# Altium PCB BGA_faser.PcbDoc (part 3 of 3)
Units mm, origin at the board's own origin, x right, y up, seen from the top; angles counter-clockwise.
Board outline 67 x 88.8 mm, 6 copper layers (Top Layer, GND1, Layer 3, PWR, GND2, Bottom Layer), stack 0.816 mm thick; 284 components, 326 nets, 1608 pads, 767 vias.
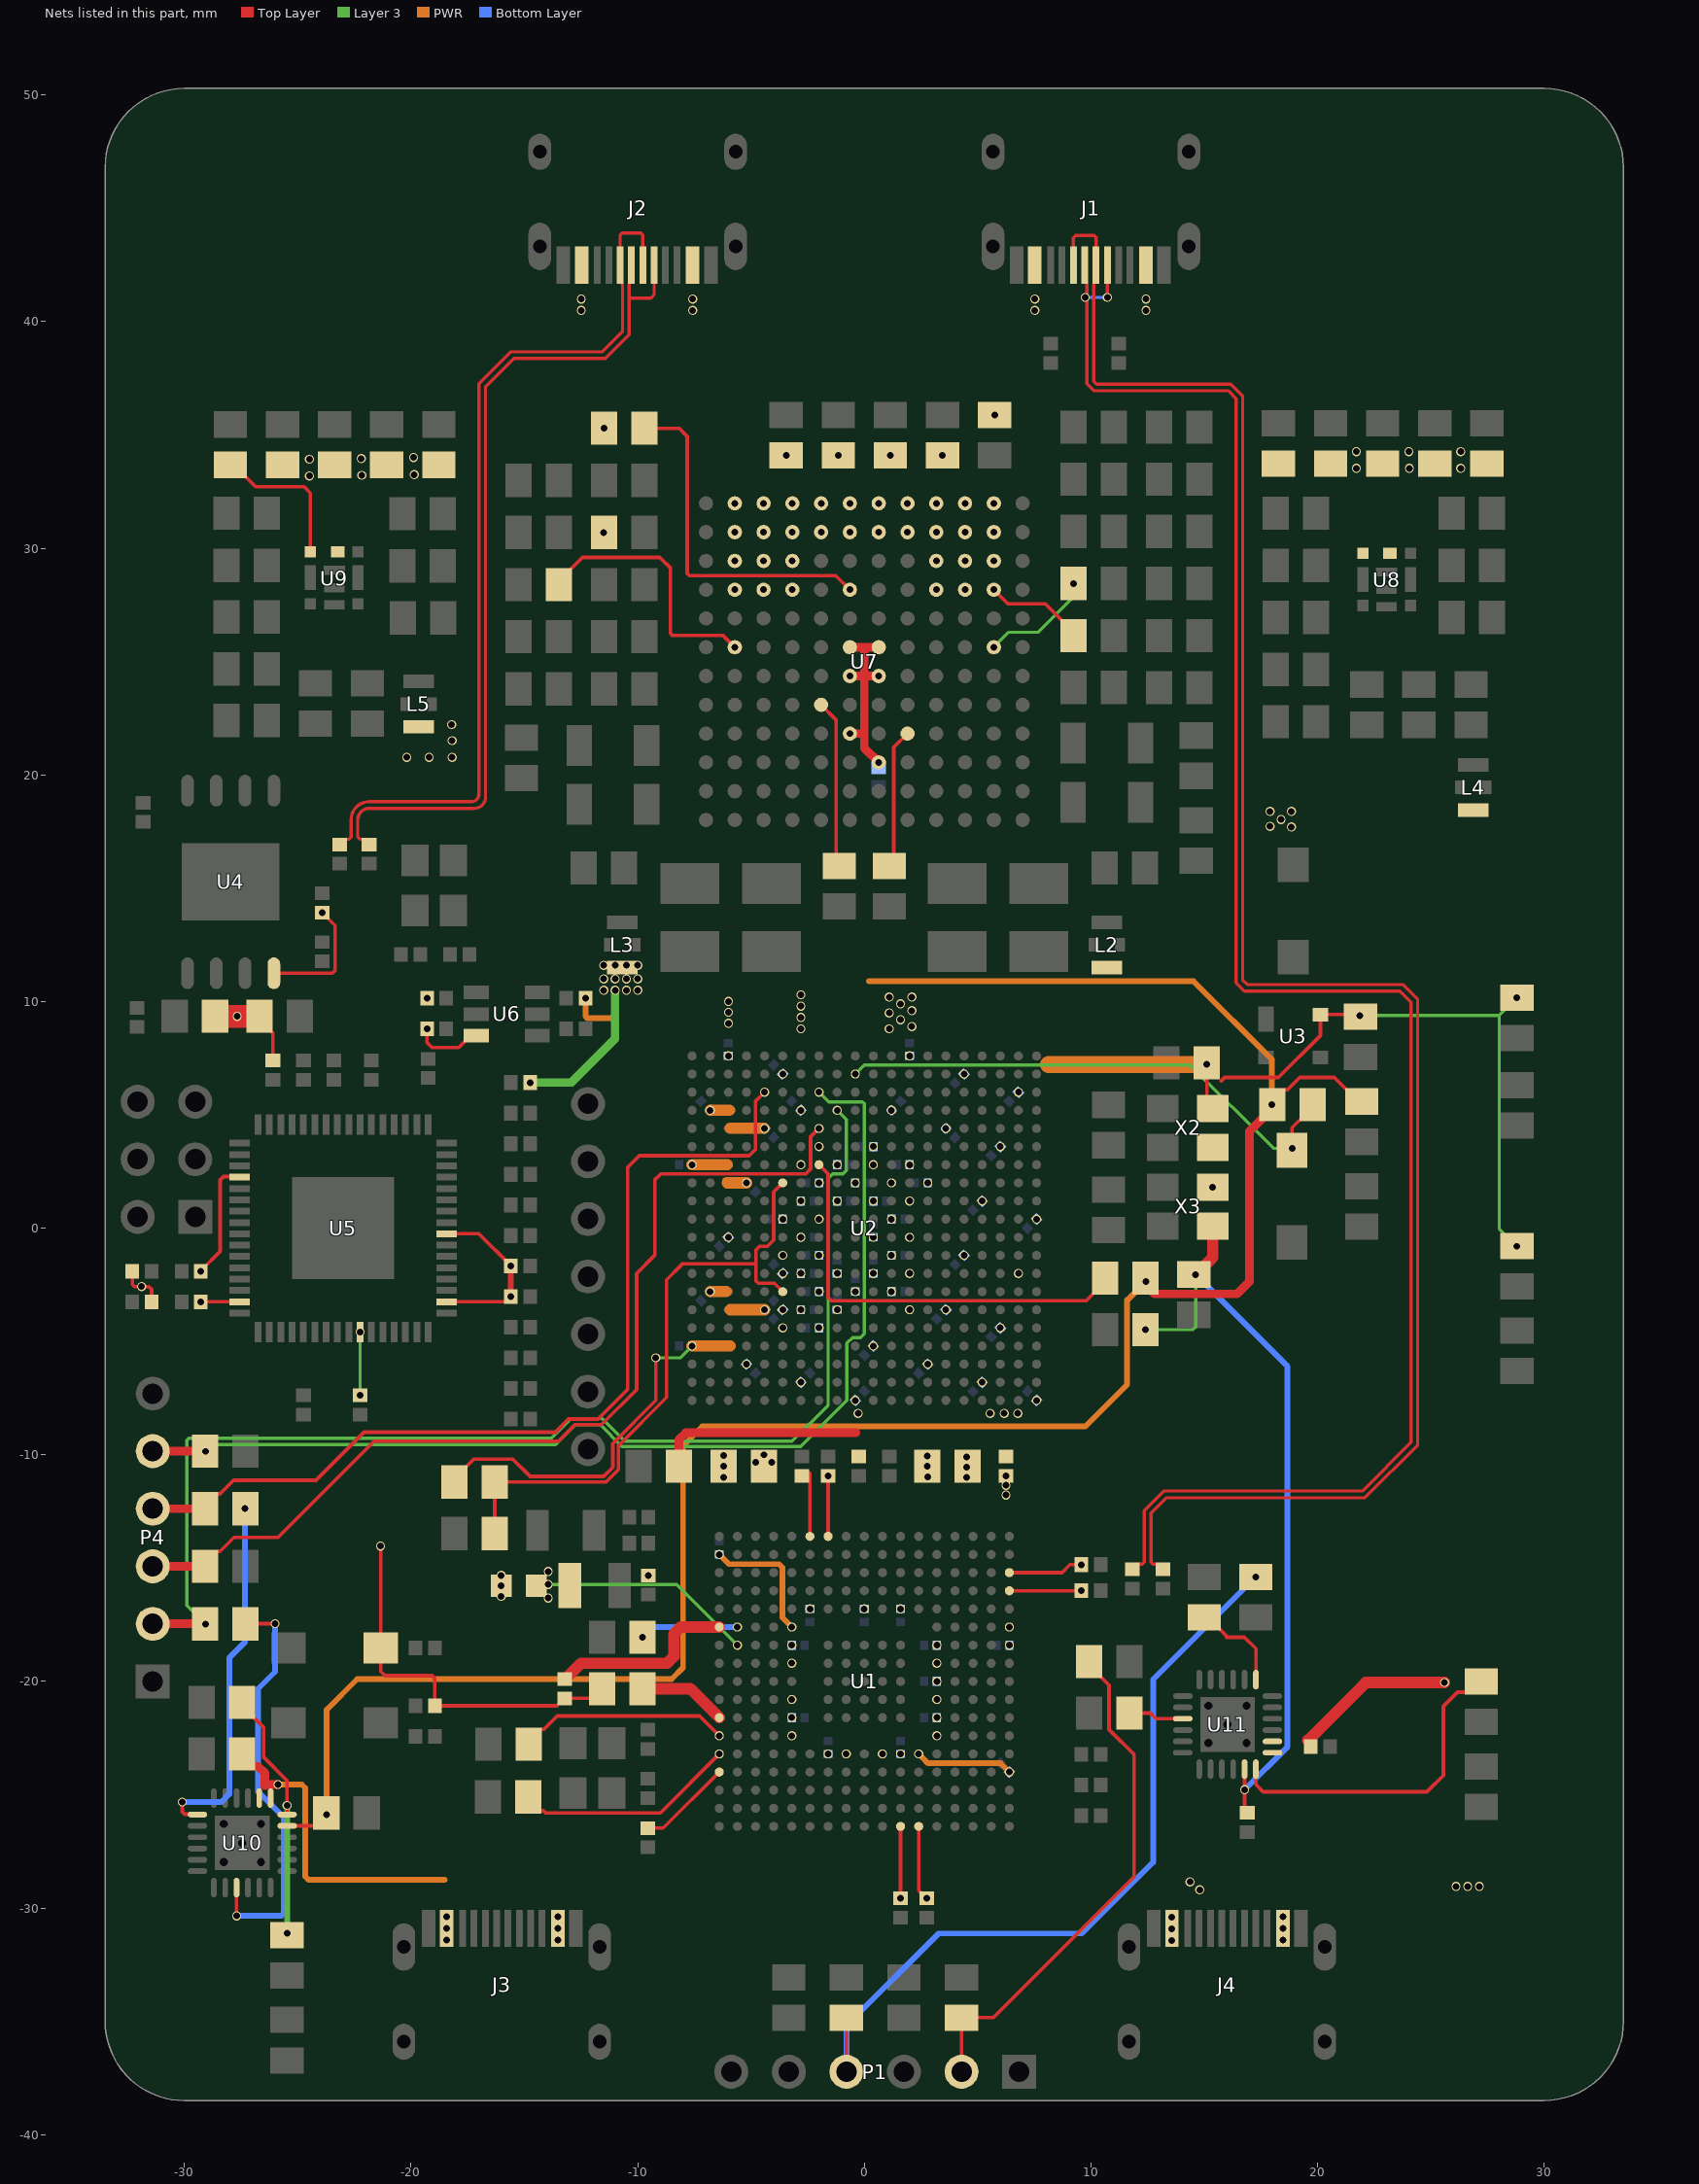
[diagram p7: the nets of this part, all layers, seen from the top]

## Via types
v1: diameter 0.4, hole 0.3, Top Layer to Bottom Layer, 753 vias
v2: diameter 0.508, hole 0.356, Top Layer to Bottom Layer, tented both sides, 8 vias
v3: diameter 6, hole 3, Top Layer to Bottom Layer, 4 vias
v4: diameter 5, hole 4, Top Layer to Bottom Layer, 2 vias

## Nets (pads, with @x,y where several pads share a name; then routed paths per layer and width w, separated by ;. In a path a pad name is that pad's centre, name@x,y a point inside that pad or via, vN(x,y) a via of type N, cw(c..) or ccw(c..) an arc to the next point about the centre after c; other vN are vias at no path point) (continued)
SGND: R72.1 U7.C7 U7.D6 U7.F6 U7.F7 U7.G6 U7.G7 | length 8.5
  Top Layer w0.156: -0.05,21.825 0,21.875
  Top Layer w0.381: v1(-0.635,21.825) -0.05,21.825 ; v1(-0.635,24.365) 0,24.365 ; U7.G6@-0.635,25.635 0,25.635 ; v1(0.635,20.555) 0,21.19 0,21.875 0,24.365 ; v1(0.635,24.365) 0,24.365 ; U7.G7@0.635,25.635 0,25.635 ; 0,24.365 0,25.635
SMPS_GND: C19.1 C20.1 FB1.1 U1.F2 | length 4.4
  Bottom Layer w0.254: v1(-9.785,-18.05) -9.335,-17.6 v1(-5.6,-17.6)
  other v1: -16.025,-16.25 -16.02,-15.775 -16.025,-15.325 -9.525,-15.325
SRST: R26.1 S4.2 U2.B10 | length 23.4
  Top Layer w0.156: S4.2@18.875,3.435 v1(18.875,3.525) 18.875,4.435 19.234,4.793 19.288,4.793 19.79,5.295 R26.1@19.79,5.45
  Layer 3 w0.142: v1(-0.4,6.8) 0,7.2 14.375,7.2 18.05,3.525 v1(18.875,3.525)
SS1V0: C102.1 U7.D8 | length 6.2
  Top Layer w0.156: C102.1@1.1,15.99 1.3,16.19 1.3,21.22 U7.D8@1.905,21.825
SS1V5: C125.2 U8.1
SS1V8: C111.1 U7.E5 | length 7.4
  Top Layer w0.156: U7.E5@-1.905,23.095 -1.25,22.44 -1.25,16.14 C111.1@-1.1,15.99
SS3V3: C134.2 U9.1 | length 6.6
  Top Layer w0.156: C134.2@-27.975,33.685 -27.82,33.685 -26.856,32.721 -24.72,32.721 -24.443,32.444 U9.1@-24.443,29.852
SW1: R74.2 U7.G2 | length 11.7
  Top Layer w0.156: R74.2@-13.485,28.4 -13.485,28.555 -12.44,29.6 -9.025,29.6 -8.55,29.125 -8.55,26.242 -8.458,26.15 -6.23,26.15 v1(-5.715,25.635)
SW2: R75.2 U7.G11 | length 5
  Layer 3 w0.142: v1(5.715,25.635) 6.38,26.3 7.675,26.3 9.225,27.85 v1(9.225,28.45)
TEMP: R63.1 U7.J6 | length 15.6
  Top Layer w0.156: R63.1@-9.71,35.3 -8.175,35.3 -7.814,34.939 -7.814,28.892 -7.722,28.8 -1.26,28.8 v1(-0.635,28.175)
TX1: P1.2 R8.2 R95.1 | length 22.9
  Top Layer w0.156: P1.2@4.29,-37.225 R8.2@4.29,-34.84 5.685,-34.84 11.9,-28.625 11.9,-23.225 10.8,-22.125 10.8,-20.17 9.91,-19.28 R95.1@9.91,-19.125
TX2: P1.4 R11.2 R99.1 | length 35.4
  Top Layer w0.156: P1.4@-0.79,-37.225 R11.2@-0.79,-34.84
  Bottom Layer w0.254: P1.4@-0.79,-37.225 -0.79,-35.19 3.275,-31.125 9.6,-31.125 12.75,-27.975 12.75,-19.91 v1(17.275,-15.385)
TXD0: R97.2 U11.21 | length 2.5
  Top Layer w0.156: R97.2@11.69,-21.4 12.625,-21.4 12.872,-21.647 U11.21@14.054,-21.647
TXD1: R101.2 U11.13 | length 4.3
  Top Layer w0.156: R101.2@15,-17.165 15.155,-17.165 15.975,-17.985 15.975,-18.05 16.775,-18.05 17.28,-18.555 U11.13@17.28,-19.921
TXD2: R96.2 U10.21 | length 18.3
  Top Layer w0.156: v1(-27.7,-30.35) U10.21@-27.7,-29.101 ; R96.2@-27.31,-17.46 -27.3,-17.45 v1(-26,-17.45)
  Bottom Layer w0.254: v1(-27.7,-30.35) -25.725,-30.35 -25.625,-30.25 -25.625,-25.99 -26.75,-24.865 -26.75,-20.325 -26,-19.575 v1(-26,-17.45)
TXD3: R100.2 U10.13 | length 16.3
  Top Layer w0.156: v1(-30.1,-25.325) -30.1,-25.75 -29.993,-25.857 -29.444,-25.857 U10.13@-29.426,-25.875
  Bottom Layer w0.254: v1(-30.1,-25.325) -28.375,-25.325 -28.025,-24.975 -28.025,-18.962 -27.325,-18.262 v1(-27.325,-12.375)
U1D_n: J2.5 J2.7 R41.1 | length 38.6
  Top Layer w0.142: R41.1@-21.851,16.935 -22.08,17.164 -22.27,17.164 -22.354,17.247 -22.354,18.021 cw(c-21.85,18.021) -21.85,18.525 -17.216,18.525 ccw(c-17.216,19.028) -16.713,19.028 -16.713,37.135 -15.469,38.379 -11.435,38.379 -10.378,39.437 -10.378,41.046 ; J2.7@-10.275,42.5 -10.354,42.421 -10.354,41.692 -10.378,41.668 -10.378,41.046 ; J2.5@-9.275,42.5 -9.275,41.195 -9.423,41.046 -10.378,41.046
U1D_p: J2.6 J2.8 R42.1 | length 39.8
  Top Layer w0.142: R42.1@-23.151,16.935 -22.922,17.164 -22.731,17.164 -22.648,17.247 -22.648,18.021 cw(c-21.85,18.021) -21.85,18.819 -17.338,18.819 ccw(c-17.338,19.15) -17.008,19.15 -17.008,37.257 -15.591,38.674 -11.557,38.674 -10.672,39.559 -10.672,41.668 -10.696,41.692 -10.696,42.421 J2.8@-10.775,42.5 -10.775,43.833 -10.692,43.917 -9.862,43.917 -9.779,43.833 -9.779,42.504 J2.6@-9.775,42.5
UART1_RXD: P4.4 R100.1 U2.C5 | length 41.7
  Top Layer w0.156: R100.1@-29.09,-12.38 -29.09,-12.225 -28.588,-11.723 -28.433,-11.723 -27.835,-11.125 -24.2,-11.125 -22.075,-9 -13.631,-9 -13.056,-8.425 -11.75,-8.425 -10.45,-7.125 -10.45,2.675 -9.925,3.2 -5.081,3.2 -4.8,3.481 -4.8,5.6 v1(-4.4,6)
  Top Layer w0.381: P4.4@-31.4,-12.38 R100.1@-29.09,-12.38
UART1_TXD: P4.5 R98.1 U2.C8 | length 48.2
  Top Layer w0.381: P4.5@-31.4,-9.84 R98.1@-29.09,-9.84
  Layer 3 w0.142: v1(-29.075,-9.85) -28.775,-9.55 -13.625,-9.55 -12.75,-8.675 -11.65,-8.675 -10.694,-9.631 -2.806,-9.631 -0.775,-7.6 -0.775,-5.075 -0.525,-4.825 -0.175,-4.825 0,-4.65 0,5.5 -0.075,5.575 -1.575,5.575 v1(-2,6)
UART2_RXD: P4.2 R96.1 U2.D9 | length 54.3
  Top Layer w0.381: P4.2@-31.4,-17.46 R96.1@-29.09,-17.46
  Layer 3 w0.142: v1(-29.075,-17.475) -29.9,-16.65 -29.9,-9.358 -29.817,-9.275 -13.8,-9.275 -12.925,-8.4 -11.575,-8.4 -10.575,-9.4 -3.19,-9.4 -1.595,-7.805 -1.595,2.205 -1.4,2.4 -0.95,2.4 -0.8,2.55 -0.8,4.8 v1(-1.2,5.2)
UART2_TXD: P4.3 R94.1 U2.E8 | length 43.2
  Top Layer w0.156: R94.1@-29.09,-14.92 -29.09,-14.765 -28.588,-14.263 -28.433,-14.263 -27.82,-13.65 -25.875,-13.65 -21.625,-9.4 -13.5,-9.4 -12.775,-8.675 -11.6,-8.675 -10.05,-7.125 -10.05,-2 -9.25,-1.2 -9.25,2.125 -8.975,2.4 -2.584,2.4 -2.367,2.617 -2.367,4.033 v1(-2,4.4)
  Top Layer w0.381: P4.3@-31.4,-14.92 R94.1@-29.125,-14.92
USB_FS_n: J1.5 J1.7 R4.2 | length 83.8
  Top Layer w0.142: J1.7@9.725,42.5 9.804,42.421 9.804,41.692 9.828,41.668 9.828,37.256 10.042,37.042 10.128,36.956 16.053,36.956 16.4,36.609 16.4,10.834 16.778,10.456 23.641,10.456 24.125,9.972 24.125,-9.45 21.975,-11.6 13.209,-11.6 12.353,-12.456 12.353,-14.738 12.27,-14.821 12.054,-14.821 R4.2@11.825,-15.05 ; v1(10.725,41.075) J1.5@10.725,42.5
  Bottom Layer w0.142: v1(9.75,41.075) v1(10.725,41.075)
USB_FS_p: J1.6 J1.8 R5.2 | length 84.9
  Top Layer w0.142: J1.8@9.225,42.5 9.225,43.7 9.325,43.8 10.142,43.8 10.225,43.717 J1.6@10.225,42.5 10.146,42.421 10.146,41.692 10.122,41.668 10.122,37.378 10.25,37.25 16.175,37.25 16.694,36.731 16.694,10.956 16.9,10.75 23.763,10.75 24.419,10.094 24.419,-9.572 22.097,-11.894 13.331,-11.894 12.647,-12.578 12.647,-14.738 12.73,-14.821 12.946,-14.821 R5.2@13.175,-15.05
VCAP: 22.1 C28.1 C29.1 R16.1 U1.A7 U1.D17 U1.U11 | length 9
  Top Layer w0.156: U1.A7@-1.6,-13.6 v1(-1.6,-10.925) ; v1(1.6,-29.575) U1.U11@1.6,-26.4 ; U1.D17@6.4,-16 v1(9.575,-16)
  other v1: 4.525,-11 4.525,-10.55 4.525,-10.1
VCC_1V0: C32.2 C33.2 C34.2 C35.2 C36.2 C37.2 C38.2 C39.2 C40.2 C41.2 L2.3 U2.G7 U2.G11 U2.G13 U2.H10 U2.H12 U2.J7 U2.J13 U2.K12 U2.L7 U2.L13 U2.M12 U2.N7 U2.N13 U2.P8 U2.P12 U2.R7 U2.R13
  other v1: -2.8,-3.6 2,-3.6 -2,-2.8 1.2,-2.8 -2.8,-2 2,-2 1.2,-1.2 -2.8,-0.4 2,-0.4 1.2,0.4 -2.8,1.2 2,1.2 -0.4,2 1.2,2 -2.8,2.8 0.4,2.8 2,2.8 -2.8,8.8 1.1,8.8 2.1,8.9 1.6,9.2 -2.8,9.3 1.1,9.5 2.1,9.6 -2.8,9.8 1.6,9.9 1.1,10.2 2.1,10.2 -2.8,10.3
VCC_1V5: C78.2 C79.2 C80.2 C81.2 C82.2 C83.2 C84.2 C85.2 C86.2 C87.2 L4.3 R18.2 U2.A3 U2.D2 U2.E5 U2.G1 U2.H4 U2.L3 U2.P2 U2.R5 U2.U1 U2.V4 | length 24.6
  Top Layer w0.156: R18.2@-18.09,-11.2 -18.09,-11.045 -17.245,-10.2 -15.5,-10.2 -14.745,-10.955 -11.502,-10.955 -11.1,-10.553 -11.1,-9.503 -9.2,-7.603 v1(-9.2,-5.725)
  Layer 3 w0.142: v1(-9.2,-5.725) -8.125,-5.725 v1(-7.6,-5.2)
  PWR w0.254: -6.15,2.1 -6.05,2 ; -6.05,2.8 -5.975,2.725 ; -5.975,-3.55 -5.925,-3.6 ; -5.95,5.2 -5.875,5.125 ; -5.925,-5.2 -5.875,-5.15 ; v1@-4.413,4.413 v1(-4.4,4.4)
  PWR w0.5: v1(-7.6,-5.2) -5.925,-5.2 ; v1(-7.6,2.8) -6.05,2.8 ; v1(-6.8,-2.8) -6.1,-2.8 ; v1(-6.8,5.2) -5.95,5.2 ; -6.05,2 v1(-5.2,2) ; -5.925,-3.6 v1(-4.4,-3.6) ; -5.912,4.413 v1@-4.413,4.413
  other v1: -5.2,-6 -6,-0.4 -6,7.6 -5.994,9.042 -5.994,9.525 -5.994,10.008 18.847,17.704 17.907,17.729 18.39,18.034 17.907,18.39 18.847,18.39
VCC_1V8: C42.2 C43.2 C44.2 C45.2 C46.2 C47.2 C48.2 C49.2 C50.2 C51.2 C52.2 C53.2 C54.2 C55.2 C56.2 C139.2 FB5.2 L3.3 R23.2 R26.2 R33.2 U2.A13 U2.B16 U2.D12 U2.E15 U2.F8 U2.F11 U2.G9 U2.H8 U2.J9 U2.J11 U2.K8 U2.L11 U2.M8 U2.N9 U2.N11 U2.P10 U2.R9 U10.5 | length 104.9
  Top Layer w0.156: U10.5@-25.474,-26.375 -24.242,-26.375 -23.74,-25.873 C139.2@-23.74,-25.8 ; FB5.2@12.415,-2.355 FB5.2@12.415,-2.2 ; v1(12.425,-2.35) 12.657,-2.582 FB5.2@12.657,-2.757 ; R26.2@18.01,5.295 R26.2@18.01,5.45 18.01,5.605 18.512,6.107 18.667,6.107 19.21,6.65 20.735,6.65 21.795,5.59 R23.2@21.95,5.59
  Top Layer w0.381: FB5.2@12.657,-2.757 12.804,-2.904 16.446,-2.904 17,-2.35 17,4.285 R26.2@18.01,5.295
  Layer 3 w0.381: v1(-14.75,6.425) -12.925,6.425 -11,8.35 v1(-11,10.5)
  PWR w0.254: v1(-23.725,-25.875) -23.725,-21.25 -22.375,-19.9 -8.5,-19.9 -8,-19.4 -8,-9.6 -7.15,-8.75 9.75,-8.75 11.6,-6.9 11.6,-3.175 v1(12.425,-2.35) ; 0.2,10.9 14.525,10.9 17.975,7.45 v1(17.975,5.45)
  other v1: -1.2,-3.6 -0.4,-2.8 -1.2,-2 0.4,-2 -2,-1.2 0.4,-0.4 -2,0.4 -1.2,1.2 0.4,1.2 -2,2 -1.2,2.8 -2,3.6 0.4,3.6 3.6,4.4 1.2,5.2 4.4,6.8 2,7.6 -11.5,10.5 -10.5,10.5 -10,10.5 -11.5,11 -11,11 -10.5,11 -10,11 -11.5,11.6 -11,11.6 -10.5,11.6 -10,11.6
VCC_3V3: C30.2 C31.2 C57.2 C58.2 C59.2 C60.2 C61.2 C62.2 C63.2 C64.2 C65.2 C66.2 C67.2 C68.2 C69.2 C70.2 C71.2 C72.2 C73.2 C74.2 C75.2 C76.2 C77.2 C88.2 C89.2 C90.2 C91.2 C92.2 C93.2 C140.2 D2.A FB2.2 FB6.2 FB7.2 L5.3 R1.2 R3.1 R9.2 R14.1 R21.1 R22.1 R27.2 R29.1 R30.2 R35.2 R39.2 R44.2 R45.1 S2.2 U2.B6 U2.C19 U2.D7 U2.F18 U2.H14 U2.J17 U2.K6 U2.K20 U2.M6 U2.M16 U2.N6 U2.N19 U2.R6 U2.R15 U2.T6 U2.T8 U2.T18 U2.U11 U2.V14 U2.W7 U2.W17 U2.Y10 U2.Y20 U3.4 U4.8 U5.20 U5.31 U5.42 U5.50 U5.56 U6.6 U11.5 X2.1 X2.4 X3.1 X3.4 | length 129.8
  Top Layer w0.156: R29.1@-32.3,-1.9 -32.3,-2.483 -32.208,-2.575 v1(-31.892,-2.575) -31.575,-2.575 -31.45,-2.7 R30.2@-31.45,-3.25 ; v1(-29.275,-3.25) U5.31@-27.575,-3.25 ; v1(-29.275,-1.9) -29.275,-1.875 -28.425,-1.025 -28.425,2.125 -28.275,2.275 -27.6,2.275 U5.20@-27.575,2.25 ; FB7.2@-26.69,9.35 -26.69,9.195 -26.1,8.605 R45.1@-26.1,7.4 ; U4.8@-26.05,11.25 -23.475,11.25 -23.35,11.375 -23.35,13.35 -23.678,13.678 -23.678,13.703 -23.9,13.925 v1(-23.925,13.925) ; C92.2@-22.25,-7.325 C92.2@-22.2,-7.375 ; v1@-21.34,-14.025 S2.2@-21.34,-18.525 -21.34,-19.56 -21.15,-19.75 -19.075,-19.75 -18.95,-19.875 R1.2@-18.95,-21.075 -13.575,-21.075 -13.25,-20.75 R14.1@-13.225,-20.75 -11.99,-20.75 FB2.2@-11.565,-20.325 ; v1(-19.3,8.8) -19.3,8.2 -19.075,7.975 -17.9,7.975 -17.375,8.5 U6.6@-17.125,8.5 ; U5.50@-18.425,-3.25 -15.822,-3.25 -15.625,-3.053 -15.625,-3.05 v1(-15.6,-3.025) ; U5.56@-18.425,-0.25 -17,-0.25 -15.6,-1.65 v1(-15.6,-1.675) ; -0.375,-9.025 -0.35,-9 ; C88.2@14.543,-2.044 v1(14.62,-2.044) ; C31.2@15.115,7.3 15.115,5.535 X2.1@15.375,5.275 ; 15.75,6.5 15.9,6.65 18.275,6.65 20.125,8.5 U3.4@20.125,9.425 21.815,9.425 v1(21.858,9.382) C30.2@21.9,9.34 ; U11.5@16.78,-23.874 v1(16.78,-24.777) 16.78,-25.68 C140.2@16.9,-25.8
  Top Layer w0.254: v1(-15.6,-3.025) v1(-15.6,-1.675)
  Top Layer w0.381: R22.1@-8.185,-10.5 -8.185,-9.335 -7.875,-9.025 -0.375,-9.025
  Top Layer w0.508: v1(14.62,-2.044) 14.698,-2.044 15.024,-1.718 15.024,-1.641 15.375,-1.289 X3.4@15.375,0.098
  Top Layer w1: FB6.2@-28.65,9.35 FB7.2@-26.69,9.35
  Layer 3 w0.142: v1(-22.25,-7.375) v1(-22.25,-4.575) ; v1(12.415,-4.475) 14.5,-4.475 14.62,-4.355 v1(14.62,-2.044) ; v1(21.858,9.382) 28.017,9.382 ; v1(28.8,-0.8) 28.017,-0.017 28.017,9.382 ; v1(28.8,10.165) 28.017,9.382
  PWR w0.254: v1(-12.3,10.15) -12.3,9.347 -12.228,9.275 -11,9.275
  PWR w0.762: 8.125,7.225 v1(15.1,7.225)
  Bottom Layer w0.254: v1(14.62,-2.044) 18.675,-6.099 18.675,-22.882 v1(16.78,-24.777)
  other v1: -21.35,-14.025 -0.275,-8.175 5.55,-8.175 6.175,-8.175 6.775,-8.175 -0.4,-7.6 7.6,-7.6 -2.8,-6.8 5.2,-6.8 2.8,-6 0.4,-5.2 -3.6,-4.4 -2,-4.4 6,-4.4 -3.6,-3.6 3.6,-3.6 -3.6,-2 6.8,-2 -3.6,-1.2 4.4,-1.2 -3.6,0.4 7.6,0.4 5.2,1.2 15.375,1.8 2.8,2 6,3.6 -2.8,5.2 6.8,6 -3.6,6.8 -27.675,9.35 -19.3,10.15 -20.193,20.777 -19.202,20.777 -18.186,20.777 -18.186,21.514 -18.212,22.225
VCC_5V: C103.2 C104.2 C105.2 C106.2 C117.2 C118.2 C119.2 C120.2 C126.2 C127.2 C128.2 C129.2 C135.2 C136.2 J1.2 J1.11 J2.2 J2.11 J3.2 J3.11 J4.2 J4.11 R51.2 R54.1 R63.2 R65.2 U7.J2 U7.J3 U7.J4 U7.J9 U7.J10 U7.J11 U7.K2 U7.K3 U7.K4 U7.K9 U7.K10 U7.K11 U7.L2 U7.L3 U7.L4 U7.L5 U7.L6 U7.L7 U7.L8 U7.L9 U7.L10 U7.L11 U7.M2 U7.M3 U7.M4 U7.M5 U7.M6 U7.M7 U7.M8 U7.M9 U7.M10 U7.M11 U8.8 U9.8 U10.7 U10.8 U11.7 U11.8 | length 25.8
  Top Layer w0.156: C135.2@-27.46,-23.2 C135.2@-27.209,-23.451 ; v1(5.715,28.175) 6.34,27.55 7.99,27.55 9.235,26.305 R51.2@9.235,26.15
  Top Layer w0.381: C135.2@-27.209,-23.451 -27.209,-23.606 -27.07,-23.744 -26.761,-23.744 -26.45,-24.055 -26.45,-24.602 -26.402,-24.554 -25.879,-24.554 v1(-25.875,-24.55)
  Top Layer w0.508: C136.2@19.7,-22.875 19.654,-22.829 19.654,-22.679 19.575,-22.6 22.125,-20.05 v1(25.6,-20.05)
  PWR w0.254: v1(-25.875,-24.55) -24.824,-24.55 -24.675,-24.699 -24.675,-28.603 -24.526,-28.752 -18.523,-28.752
  other v1: -18.425,-31.412 -13.525,-31.412 13.575,-31.425 18.475,-31.412 -18.425,-30.9 -13.525,-30.9 13.575,-30.913 18.475,-30.9 13.575,-30.4 -18.425,-30.388 -13.525,-30.388 18.475,-30.388 14.8,-29.2 26.113,-29.05 26.625,-29.05 27.137,-29.05 14.375,-28.85 -5.715,28.175 -4.445,28.175 -3.175,28.175 3.175,28.175 4.445,28.175 -5.715,29.445 -4.445,29.445 -3.175,29.445 3.175,29.445 4.445,29.445 5.715,29.445 -11.5,30.7 -5.715,30.715 -4.445,30.715 -3.175,30.715 -1.905,30.715 -0.635,30.715 0.635,30.715 1.905,30.715 3.175,30.715 4.445,30.715 5.715,30.715 -5.715,31.985 -4.445,31.985 -3.175,31.985 -1.905,31.985 -0.635,31.985 0.635,31.985 1.905,31.985 3.175,31.985 4.445,31.985 5.715,31.985 -24.486,33.198 -22.174,33.223 -19.863,33.249 21.717,33.528 24.054,33.528 26.314,33.528 -24.486,33.934 -22.2,33.96 -19.888,34.011 -3.45,34.11 -1.15,34.11 1.15,34.11 3.45,34.11 21.717,34.265 24.028,34.265 26.314,34.265 -11.49,35.3 5.75,35.89 -12.488,40.5 -7.575,40.5 7.525,40.5 12.425,40.5 -12.488,41 -7.575,41 7.525,41 12.425,41
VCCPLL: FB5.1 U2.G8 | length 18.8
  Top Layer w0.156: U2.G8@-2,2.8 -1.596,2.395 -1.596,-3.054 -1.45,-3.2 9.79,-3.2 10.635,-2.355 FB5.1@10.635,-2.2
VDD: R103.2 U11.6 | length 14.6
  Top Layer w0.156: U11.6@17.28,-23.874 17.28,-24.555 17.6,-24.875 24.825,-24.875 25.55,-24.15 25.55,-21.1 26.174,-20.476 26.759,-20.476 R103.2@27.225,-20.01
VDD2: C137.2 R102.2 U10.6 | length 11.4
  Top Layer w0.156: C137.2@-27.46,-20.925 -27.46,-21.08 -26.5,-22.04 -26.5,-23.35 -25.474,-24.376 U10.6@-25.474,-25.875
  Layer 3 w0.254: v1(-25.475,-31.11) v1(-25.475,-25.475)
VDD_LDO: C21.1 C22.1 C23.1 R15.1 U1.A6 U1.C17 U1.U12 | length 9.5
  Top Layer w0.156: -2.425,-10.8 -2.4,-10.825 U1.A6@-2.4,-13.6 ; U1.U12@2.4,-26.4 2.4,-29.225 2.503,-29.328 2.503,-29.353 2.725,-29.575 v1(2.75,-29.575) ; U1.C17@6.4,-15.2 8.725,-15.2 9.075,-14.85 v1(9.575,-14.85)
  other v1: -4.8,-10.325 -4.075,-10.325 -4.425,-10
VDD_SDC: C20.2 L1.2 R15.2 R16.2 U1.G2 | length 9.5
  Layer 3 w0.142: v1(-13.95,-15.725) -8.275,-15.725 v1(-5.6,-18.4)
  other v1: -13.95,-16.325 -13.95,-15.15 -6.2,-11 2.8,-10.975 -6.204,-10.497 2.785,-10.5 2.775,-10.05 -6.2,-10.025
VDDA: FB2.1 U1.L1 | length 3.9
  Top Layer w0.508: FB2.1@-9.785,-20.325 -7.675,-20.325 -7.548,-20.452 U1.L1@-6.4,-21.6
VDDSMPS: R14.2 U1.F1 | length 8.4
  Top Layer w0.156: R14.2@-13.225,-19.9 R14.2@-13.2,-19.9
  Top Layer w0.508: R14.2@-13.2,-19.9 -12.5,-19.2 -8.698,-19.2 -8.4,-18.902 -8.4,-17.898 -8.102,-17.6 U1.F1@-6.4,-17.6
VMCU_3V3: C1.2 C2.2 C3.2 C4.2 C5.2 C6.2 C7.2 C8.2 C9.2 C10.2 C11.2 C12.2 C13.2 R3.2 U1.B1 U1.E6 U1.E9 U1.E11 U1.F5 U1.F17 U1.G5 U1.G13 U1.G17 U1.H5 U1.H13 U1.J13 U1.K5 U1.K13 U1.L5 U1.L13 U1.M5 U1.M13 U1.N7 U1.N8 U1.N10 U1.N11 U1.N12 U1.P17 | length 10.2
  PWR w0.254: v1(-6.4,-14.4) -5.975,-14.825 -3.765,-14.825 -3.616,-14.974 -3.616,-17.184 v1(-3.2,-17.6) ; v1(2.4,-23.2) 2.573,-23.373 2.816,-23.616 6.016,-23.616 v1(6.4,-24)
  other v1: -1.6,-23.2 -0.8,-23.2 0.8,-23.2 1.6,-23.2 -3.2,-22.4 3.2,-22.4 -3.2,-21.6 3.2,-21.6 -3.2,-20.8 3.2,-20.8 3.2,-20 -3.2,-19.2 3.2,-19.2 -3.2,-18.4 3.2,-18.4 6.4,-18.4 6.4,-17.6 -2.4,-16.8 0,-16.8 1.6,-16.8 6.25,-11.775 6.25,-11.35 6.25,-10.925
VREF502: R18.1 R19.2 U2.H6 U2.P6 | length 27.8
  Top Layer w0.156: R19.2@-16.31,-13.475 R18.1@-16.31,-11.2 -11.4,-11.2 -10.85,-10.65 -10.85,-9.6 -8.725,-7.475 -8.725,-2.275 -8.029,-1.579 -4.775,-1.579 ; U2.P6@-3.6,-2.8 -3.967,-2.433 -4.676,-2.433 -4.775,-2.333 -4.775,-1.579 ; U2.H6@-3.6,2 -4,1.6 -4,-0.519 -4.281,-0.8 -4.625,-0.8 -4.775,-0.95 -4.775,-1.579
VREFN: FB4.1 U1.N1 | length 9.9
  Top Layer w0.156: FB4.1@-14.81,-25.05 -14.81,-25.205 -14.308,-25.707 -14.153,-25.707 -14.06,-25.8 -9,-25.8 v1(-6.4,-23.2)
VREFP: FB3.1 U1.M1 | length 9.4
  Top Layer w0.156: FB3.1@-14.8,-22.775 -14.8,-22.62 -14.298,-22.118 -14.143,-22.118 -13.55,-21.525 -7.275,-21.525 v1(-6.4,-22.4)
VSSA: R17.2 U1.P1 | length 4.2
  Top Layer w0.156: R17.2@-9.55,-26.475 -8.875,-26.475 U1.P1@-6.4,-24
pads on no net: J1.3 J1.9 J2.3 J2.4 J2.9 J2.10 J3.3 J3.4 J3.9 J3.10 J4.3 J4.9 U1.K16 U1.K17 U1.L16 U1.L17 U1.M16 U1.M17 U2.A1 U2.A2 U2.A4 U2.A9 U2.A10 U2.A11 U2.A12 U2.A14 U2.A15 U2.A16 U2.A17 U2.A19 U2.A20 U2.B2 U2.B3 U2.B4 U2.B5 U2.B9 U2.B12 U2.B13 U2.B14 U2.B15 U2.B17 U2.B18 U2.B19 U2.B20 U2.C1 U2.C2 U2.C3 U2.C6 U2.C10 U2.C11 U2.C12 U2.C13 U2.C15 U2.C16 U2.C17 U2.C18 U2.C20 U2.D1 U2.D3 U2.D4 U2.D5 U2.D8 U2.D10 U2.D11 U2.D13 U2.D14 U2.D15 U2.D16 U2.D18 U2.D19 U2.D20 U2.E1 U2.E2 U2.E3 U2.E4 U2.E6 U2.E9 U2.E12 U2.E13 U2.E14 U2.E16 U2.E17 U2.E18 U2.E19 U2.F1 U2.F2 U2.F4 U2.F5 U2.F12 U2.F13 U2.F14 U2.F15 U2.F16 U2.F17 U2.F19 U2.F20 U2.G2 U2.G3 U2.G4 U2.G5 U2.G14 U2.G15 U2.G17 U2.G18 U2.G19 U2.G20 U2.H1 U2.H2 U2.H3 U2.H5 U2.H15 U2.H16 U2.H17 U2.H18 U2.H20 U2.J1 U2.J3 U2.J4 U2.J5 U2.J14 U2.J15 U2.J16 U2.J18 U2.J19 U2.J20 U2.K1 U2.K2 U2.K3 U2.K4 U2.K9 U2.K14 U2.K16 U2.K17 U2.K18 U2.K19 U2.L1 U2.L2 U2.L4 U2.L5 U2.L10 U2.L14 U2.L15 U2.L16 U2.L17 U2.L19 U2.L20 U2.M2 U2.M3 U2.M4 U2.M5 U2.M14 U2.M15 U2.M17 U2.M18 U2.M19 U2.M20 U2.N1 U2.N2 U2.N3 U2.N5 U2.N15 U2.N16 U2.N17 U2.N18 U2.N20 U2.P1 U2.P3 U2.P4 U2.P5 U2.P14 U2.P15 U2.P16 U2.P18 U2.P20 U2.R1 U2.R2 U2.R3 U2.R4 U2.R14 U2.R16 U2.R17 U2.R18 U2.R19 U2.T1 U2.T2 U2.T4 U2.T5 U2.T9 U2.T10 U2.T11 U2.T12 U2.T14 U2.T15 U2.T16 U2.T17 U2.T19 U2.T20 U2.U2 U2.U3 U2.U4 U2.U5 U2.U7 U2.U8 U2.U9 U2.U10 U2.U12 U2.U13 U2.U14 U2.U15 U2.U17 U2.U18 U2.U19 U2.U20 U2.V1 U2.V2 U2.V3 U2.V5 U2.V6 U2.V7 U2.V8 U2.V10 U2.V11 U2.V12 U2.V13 U2.V15 U2.V16 U2.V17 U2.V18 U2.V20 U2.W1 U2.W3 U2.W4 U2.W5 U2.W6 U2.W8 U2.W9 U2.W10 U2.W11 U2.W13 U2.W14 U2.W15 U2.W16 U2.W18 U2.W19 U2.W20 U2.Y1 U2.Y2 U2.Y3 U2.Y4 U2.Y6 U2.Y7 U2.Y8 U2.Y9 U2.Y11 U2.Y12 U2.Y13 U2.Y14 U2.Y16 U2.Y17 U2.Y18 U2.Y19 U5.21 U5.22 U5.23 U5.24 U5.26 U5.27 U5.28 U5.29 U5.30 U5.32 U5.33 U5.34 U5.36 U5.40 U5.41 U5.43 U5.44 U5.45 U5.46 U5.48 U5.52 U5.53 U5.54 U5.55 U5.57 U5.58 U5.59 U5.60 U10.1 U10.9 U10.10 U10.11 U10.14 U10.15 U10.16 U10.17 U10.18 U10.19 U10.22 U10.23 U10.24 U11.1 U11.9 U11.10 U11.11 U11.14 U11.15 U11.16 U11.17 U11.18 U11.19 U11.22 U11.23 U11.24
copper on no net:
  other v1: 6.397,-2.403
  other v3: -30,-35 30,-35 -30,46.8 30,46.8

## Polygon pours and split planes (outlines as drawn)
GND on PWR "NONET_L04_P-001" (solid, pour order 23): -33.5,-38.5 33.5,-38.5 33.5,50.3 -33.475,50.3 -33.5,50.275
VCC_3V3 on PWR "NONET_L04_P-001" (solid, pour order 11): -8.4,-8.4 8.4,-8.4 8.4,8.4 -8.4,8.4
VCC_5V on PWR "NONET_L04_P-001" (solid, pour order 21): 27.747,31.725 25.525,31.725 25.525,-29.425 27.747,-29.425
VCC_3V3 on PWR "NONET_L04_P-001" (solid, pour order 15): -9.65,14.15 -33.275,14.15 -33.325,14.2 -33.325,-14.325 -9.65,-14.325
VMCU_3V3 on PWR "NONET_L04_P-001" (solid, pour order 20): 6.725,-18.825 6.725,-10.55 5.675,-10.55 5.675,-18.825
VMCU_3V3 on PWR "NONET_L04_P-001" (solid, pour order 19): 2.7,-17.3 6.725,-17.3 6.725,-18.825 2.7,-18.825
VCC_1V8 on PWR "NONET_L04_P-001" (solid, pour order 4): -2.3,-4 0.875,-4 0.875,10.6 -2.3,10.6
VCC_3V3 on PWR "NONET_L04_P-001" (solid, pour order 16): -10.125,-8.375 -10.1,-8.4 -8.175,-8.4 -8.175,8.425 -8.225,8.475 -10.125,8.475
VCC_5V on PWR "NONET_L04_P-001" (solid, pour order 13): -29.007,41.605 -29.007,31.445 30.353,31.445 30.353,41.605
VCC_1V5 on PWR "NONET_L04_P-001" (solid, pour order 9): -6.4,10.262 -6.4,-6.3 -4.9,-6.3 -4.9,-5.7 -5.6,-5.7 -5.6,10.262
VCC_1V8 on PWR "NONET_L04_P-001" (solid, pour order 8): 0.8,8 3.9,8 3.9,7.1 4.8,7.1 4.8,6.5 3.9,6.5 3.9,4.1 3.3,4.1 3.3,7.3 0.8,7.3
VCC_5V on PWR "VCC_5V_L04_P000" (solid, pour order 0): -6.3,27.6 -2.5,27.6 -2.5,30 2.5,30 2.5,27.6 6.4,27.6 6.4,32.5 -6.3,32.5
GND on Bottom Layer "NONET_L04_P-001" (solid, pour order 24): -33.5,-38.5 33.5,-38.5 33.5,50.3 -33.5,50.3
VCC_1V0 on Bottom Layer "NONET_L04_P-001" (solid, pour order 6): -0.8,3.2 -0.8,1.6 0.8,1.6 0.8,3.2
VCC_1V0 on Bottom Layer "NONET_L04_P-001" (solid, pour order 3): -3.25,10.6 -3.25,-4 -1.6,-4 -1.6,10.6
VCC_1V0 on Bottom Layer "NONET_L04_P-001" (solid, pour order 5): 0.75,-4 2.5,-4 2.5,10.6 0.75,10.6
GND on GND1 "NONET_L04_P-001" (solid, pour order 17): -33.5,-38.5 33.5,-38.5 33.5,50.3 -33.5,50.3
GND on GND2 "NONET_L04_P-001" (solid, pour order 18): -33.5,-38.5 33.5,-38.5 33.5,50.3 -33.5,50.3
GND on Layer 3 "NONET_L04_P-001" (solid, pour order 22): -33.5,-38.525 -33.475,-38.5 33.5,-38.5 33.5,50.3 33.475,50.275 -33.5,50.275
GND on Top Layer "NONET_L04_P-001" (solid, pour order 25): -33.503,-38.51 33.515,-38.51 33.525,-38.5 33.5,-38.475 33.5,50.3 -33.525,50.3

## Keep-outs
Keep-Out Layer:
  the board outline again, w0.254

## Other copper
Top Layer:
  rectangle net VCC_5V: -26.691,-25.149 -26.2,-24.361
  rectangle net GND: -13.025,-31.725 -11.175,-30.075
  rectangle net GND: -20.825,-31.725 -18.925,-30.075
  rectangle net VCC_5V: 17.725,-23.275 20.05,-22.525
  rectangle net GND: 19.25,-31.725 20.3,-30.875
  rectangle net GND: 11.675,-31.719 12.634,-30.675
  rectangle net VCC_3V3: -0.625,-10.425 0.125,-7.95
  rectangle net VCC_3V3: 5.15,-8.425 7.05,-7.95
  rectangle net VCC_3V3: 5.675,-10.45 6.725,-7.95
  rectangle net VMCU_3V3: 5.675,-12 6.725,-10.55
  rectangle net VDD_LDO: -5.025,-11.35 -2.2,-10.575
  rectangle net SMPS_GND: -16.925,-16.9 -15.4,-14.675
  rectangle net VDD_SDC: -15.075,-16.9 -12.475,-14.675
  rectangle net LX: -11.3,-17.125 -6.125,-16.525
  rectangle net LX: -11.3,-16.85 -7.725,-15.875
  rectangle net VCC_3V3: 14.675,-0.525 16.075,3.175
  rectangle net VCC_3V3: 14.675,3.625 16.075,8.035
  rectangle net VCC_1V5: 17.45,17.069 30.556,18.771
  rectangle net GND: 29.82,19.837 30.556,36.246
  rectangle net GND: 17.45,18.948 30.556,19.939
  rectangle net GND: 17.45,19.736 25.171,21.336
  rectangle net PRE_1V5: 25.349,20.041 28.473,20.98
  rectangle net GND: 17.45,20.98 19.05,23.495
  rectangle net PRE_1V5: 27.991,20.041 29.667,23.368
  rectangle net GND: 28.829,26.035 29.947,36.246
  rectangle net GND: 23.47,21.209 27.762,22.962
  rectangle net GND: 17.424,34.798 29.997,36.246
  rectangle net INTVCC: 17.424,30.455 19.025,32.385
  rectangle net NetR79_1: 17.45,28.042 19.025,30.328
  rectangle net NetR76_1: 24.74,25.984 26.67,27.813
  rectangle net GND: 26.873,26.035 29.185,32.766
  rectangle net RUN_1V5: 25.171,27.94 26.645,29.489
  rectangle net GND: 23.749,28.397 25.019,29.261
  rectangle net GND: 22.479,27.94 25.019,28.448
  rectangle net NetR76_1: 22.479,28.575 23.622,29.261
  rectangle net RUN_1V5: 23.749,29.413 26.645,32.766
  rectangle net PRE_1V5: 22.479,25.603 24.562,27.813
  rectangle net PRE_1V5: 21.336,23.19 29.667,25.857
  rectangle net NetR79_1: 20.962,21.514 23.139,22.962
  rectangle net NetR79_1: 20.955,21.514 21.234,26.187
  rectangle net NetR79_1: 20.955,25.959 22.352,27.813
  rectangle net NetR83_1: 19.202,21.514 20.803,25.806
  rectangle net NetR82_2: 17.45,23.647 19.05,27.864
  rectangle net NetR80_2: 19.202,25.933 20.803,30.328
  rectangle net PG_1V5: 20.955,27.94 21.463,30.709
  rectangle net PG_1V5: 21.336,27.94 22.352,29.261
  rectangle net PG_1V5: 19.202,30.455 21.463,32.385
  rectangle net SS1V5: 21.59,29.413 22.352,32.537
  rectangle net SS1V5: 19.05,32.512 22.352,32.766
  rectangle net SS1V5: 17.431,32.512 19.431,34.646
  rectangle net VCC_5V: 22.479,29.413 23.622,33.553
  rectangle net VCC_5V: 19.583,32.868 28.6,34.646
  rectangle net PG_1V5: -19.329,30.582 -17.907,32.664
  rectangle net VCC_3V3: -20.498,20.472 -17.882,22.53
  rectangle net GND: -29.388,20.447 -20.625,21.412
  rectangle net GND: -30.836,20.444 -29.032,36.043
  rectangle net GND: -18.542,22.631 -17.882,25.959
  rectangle net GND: -20.93,22.631 -18.44,23.571
  rectangle net GND: -25.07,20.853 -20.625,22.936
  rectangle net GND: -29.185,21.006 -27.305,23.368
  rectangle net GND: -19.304,25.806 -17.882,30.353
  rectangle net GND: -29.159,34.874 -18.059,36.043
  rectangle net NetC130_2: -27,26.111 -25.679,27.762
  rectangle net NetR89_2: -27.153,21.666 -25.324,25.425
  rectangle net NetR88_1: -28.88,23.495 -27.457,27.939
  rectangle net GND: -22.656,28.321 -21.59,29.337
  rectangle net GND: -23.952,27.965 -21.59,28.575
  rectangle net NetC130_2: -27,26.111 -23.546,27.127
  rectangle net NetC130_2: -21.488,23.724 -18.72,25.629
  rectangle net NetC130_2: -23.952,24.74 -21.615,27.864
  rectangle net NetC130_2: -24.994,23.089 -21.082,25.629
  rectangle net RUN_3V3: -22.657,29.515 -20.625,32.664
  rectangle net RUN_3V3: -21.387,25.781 -19.558,32.664
  rectangle net VCC_5V: -24.003,29.515 -22.784,33.503
  rectangle net VCC_5V: -26.594,32.918 -17.856,34.569
  rectangle net VCC_1V8: -11.8,10.2 -9.4,11.9
  rectangle net VCC_1V0: -3.25,8.55 10.175,10.6
  rectangle net VCC_1V0: 9.525,8.525 15.5,11.975
  rectangle net GND: -16,12.1 -14,18.05
  rectangle net GND: -16,17.375 -13.7,20.625
  rectangle net GND: -13.875,17.375 -11.425,22.574
  rectangle net PHASMD: -10.5,29.8 -8.971,33.905
  rectangle net GND: -14.275,32.1 -10.75,33.9
  rectangle net INTVCC: -16,29.825 -14.5,33.9
  rectangle net NetR67_2: -16,20.825 -14.3,24.7
  rectangle net GND: -16,25.225 -14.5,29.275
  rectangle net GND: 10.25,27.55 11.75,31.65
  rectangle net PG_1V8: 10.25,32.15 11.75,36.25
  rectangle net GND: 14,27.55 15.525,36.25
  rectangle net NetR56_2: 14,23 15.525,27.05
  rectangle net NetR55_1: 12.275,25.25 13.75,29.325
  rectangle net NetR57_2: 10.25,23 13.75,24.75
  rectangle net GND: 13.75,12.1 15.525,17
  rectangle net NetR78_1: 13.75,17.25 15.55,20.625
  rectangle net GND: 11.375,17.5 13.45,22.622
  rectangle net GND: 9.175,12.1 13.875,12.925
  rectangle net GND: -9.25,10.75 9.375,14
  rectangle net GND: -15.825,12.1 -2.7,12.9
  rectangle net PRE_1V0: 9.5,13.05 13.45,14.175
  rectangle net PRE_1V0: 11.375,13.175 13.45,17.35
  rectangle net 1V0: 2.25,14.3 11.275,17.825
  rectangle net 1V0: 7.875,15.075 11.275,22.625
  rectangle net 1V0: 1.5,17.675 8.925,21
  rectangle net PRE_1V8: -13.875,13.125 -9.375,14.175
  rectangle net PRE_1V8: -13.875,13.125 -11.425,17.25
  rectangle net 1V8: -8.575,14.3 -2.5,17.975
  rectangle net 1V8: -8.625,17.65 -1.5,20.95
  rectangle net 1V8: -11.3,14.3 -8.4,22.65
  rectangle net GND: 12.925,40.25 13.525,41.8
  rectangle net VCC_5V: 12.125,40.25 12.725,41.85
  rectangle net GND: 6.425,40.25 7.025,41.825
  rectangle net VCC_5V: 7.225,40.25 7.825,41.986
  rectangle net GND: -7.075,40.25 -6.475,41.975
  rectangle net GND: -13.575,40.25 -12.975,41.95
  rectangle net VCC_5V: -7.875,40.25 -7.275,43.325
  rectangle net VCC_5V: -12.8,40.25 -12.175,43.325
  region: 10.662,10.922
  region: 10.662,10.922
  region: 10.662,10.922
  region: 10.662,10.922
  region: 10.662,10.922
  region: 10.662,10.922
  region: 10.662,10.922
  region: 10.662,10.922
  region: 10.662,10.922
  region: 10.662,10.922
  region: 10.662,10.922
  region: 10.662,10.922
  region: 10.662,10.922
  region: 10.662,10.922
  region: 10.662,10.922
  region: 10.662,10.922
  region: 10.662,10.922
  region: 10.662,10.922
  region: 10.662,10.922
  region: 10.662,10.922
  region: 10.662,10.922
  region: 10.662,10.922
  region: 10.662,10.922
  region: 10.662,10.922
  region: 10.662,10.922
  region: 10.662,10.922
  region: 10.662,10.922
  region: 10.662,10.922
  region: 10.662,10.922
  region: 10.662,10.922
  region: 10.662,10.922
  region: 10.662,10.922
  region: 10.662,10.922
  region: 10.662,10.922
  region: 10.662,10.922
  region: 10.662,10.922
  region: 10.662,10.922
  region: 10.662,10.922
  region: 10.662,10.922
  region: 10.662,10.922
  region: 10.662,10.922
  region: 10.662,10.922
  region: 10.662,10.922
  region: 10.662,10.922
  region: 10.662,10.922
  region: 10.662,10.922
  region: 10.662,10.922
  region: 10.662,10.922
  region: 10.662,10.922
  region: 10.662,10.922
  region: 10.662,10.922
  region: 10.662,10.922
  region: 10.662,10.922
  region: 10.662,10.922
  region: 10.662,10.922
  region: 10.662,10.922
  region: 10.662,10.922
  region: 10.662,10.922
  region: 10.662,10.922
  region: 10.662,10.922
  region: 10.662,10.922
  region: 10.662,10.922
  region: 10.662,10.922
  region: 10.662,10.922
  region: 10.662,10.922
  region: 10.662,10.922
  region: 10.662,10.922
  region: 10.662,10.922
  region: 10.662,10.922
  region: 10.662,10.922
  region: 10.662,10.922
  region: 10.662,10.922
  text "East Lake Project Group" at -31,41.111 h1.52
  text "Designed by Lighting" at -30.975,39.236 h1.52
  text "2025-8-4" at -30.95,37.3 h1.52
  text "1" at 30.893,-19.116 h2 r90
GND1:
  text "2" at 30.893,-17.866 h2 r90
Layer 3:
  text "3" at 30.893,-16.366 h2 r90
PWR:
  rectangle net VCC_5V: 14.175,-34.425 15,-28.625
  rectangle net VCC_5V: -1.125,-34.425 15,-33.35
  rectangle net VCC_5V: -1.125,-34.425 0.375,-28.625
  rectangle net VCC_5V: -18.725,-29.55 0.375,-28.625
  rectangle net VCC_5V: -13.825,-31.725 -13.225,-28.625
  rectangle net VCC_5V: -18.725,-31.725 -18.125,-28.625
  rectangle net GND: -2.025,-22.025 2.025,-17.975
  rectangle net VMCU_3V3: -2.375,-22.7 0.875,-22.1
  rectangle net VMCU_3V3: -2.825,-20.75 -2.125,-19.375
  rectangle net VMCU_3V3: 2.125,-18.525 2.7,-17.3
  rectangle net VMCU_3V3: -2.525,-17.875 2.7,-17.3
  rectangle net VMCU_3V3: 1.3,-17.85 1.9,-16.475
  rectangle net VMCU_3V3: -0.3,-17.875 0.3,-16.5
  rectangle net VMCU_3V3: -2.7,-17.6 -2.125,-16.5
  rectangle net VMCU_3V3: 2.125,-22.7 3.5,-18.1
  rectangle net VMCU_3V3: 0.5,-23.5 2.7,-22.1
  rectangle net VMCU_3V3: -1.9,-23.5 -0.5,-22.1
  rectangle net VMCU_3V3: -3.5,-22.7 -2.125,-20.5
  rectangle net VMCU_3V3: -3.5,-19.5 -2.125,-17.3
  rectangle net VCAP: 1.15,-29.925 9.925,-29.2
  rectangle net VCAP: 9.225,-29.575 9.925,-9.15
  rectangle net VCAP: 3.875,-11.35 5.275,-9.15
  rectangle net VCAP: 1.5,-9.725 9.925,-9.15
  rectangle net VCAP: 1.5,-11.25 2.1,-9.15
  rectangle net VCAP: -2.025,-11.25 2.1,-10.6
  rectangle net SMPS_GND: -17,-18.95 -8.425,-14.45
  rectangle net VCC_1V8: 0.625,4.9 1.5,5.5
  rectangle net VCC_3V3: -20.498,7.341 -6.492,9.474
  rectangle net VCC_3V3: -20.498,7.341 -17.882,22.53
  rectangle net VCC_5V: -12.167,29.794 -10.744,31.852
  rectangle net VCC_1V8: -11.8,10.2 -9.4,11
  rectangle net VCC_1V8: -11.8,10.575 -2.1,12.7
  rectangle net VCC_1V8: -2.296,10.565 0.9,12.7
  rectangle net VCC_5V: -6.3,32.025 6.4,34.925
  text "4" at 30.893,-14.116 h2 r90
GND2:
  text "5" at 30.893,-12.616 h2 r90
Bottom Layer:
  rectangle net VCC_5V: 13.175,-29.425 27.75,-28.619
  rectangle net VCC_5V: 18.078,-31.719 18.878,-28.619
  rectangle net VCC_5V: 13.175,-31.725 13.975,-28.619
  rectangle net VDD_LDO: 2.425,-29.925 3.075,-28.325
  rectangle net VDD_LDO: 8.575,-15.225 9.925,-14.475
  rectangle net VDD_LDO: -5.125,-10.575 -3.75,-8.737
  rectangle net VDD_LDO: 2.425,-29.35 9.05,-28.325
  rectangle net VDD_LDO: 8.2,-29.35 9.05,-8.737
  rectangle net VDD_LDO: -5.125,-9.7 9.05,-8.737
  rectangle net GND: -2.875,-22.85 2.825,-17.175
  rectangle net VDD_SDC: 2.2,-11.325 3.4,-9.75
  rectangle net VDD_SDC: -6.9,-11.35 -5.525,-9.65
  rectangle net VDD_SDC: -14.425,-11.725 3.4,-11.2
  rectangle net VDD_SDC: -14.425,-16.9 -13.425,-11.225
  rectangle net VCC_1V5: -6.909,8.788 -5.08,16.535
  rectangle net VCC_1V5: 17.424,14.376 19.228,18.771
  rectangle net VCC_1V5: -6.909,14.376 19.228,16.535
  text "6" at 30.893,-11.116 h2 r90
Multi-Layer:
  pour cut-out: 29.275,-19.35 31.275,-19.35 31.275,-10.85 29.275,-10.85

## Silkscreen, mask and mechanical layers (free items; w line width, h text height)
Top Overlay:
  lines w0.254: -34.3,50.3 34.7,50.3 ; -33.95,-38.5 34.025,-38.5 ; -33.5,-38.875 -33.5,51.3 ; -33.5,-35 ccw(c-30,-35) -30,-38.5 ; -33.5,46.8 cw(c-30,46.8) -30,50.3 ; -2.375,10.425 2.825,10.425 ; 30,-38.5 ccw(c30,-35) 33.5,-35 ; 30,50.3 cw(c30,46.8) 33.5,46.8 ; 33.5,-39.325 33.5,50.7
  text "H7 USBD" at 16.125,44.775 h1.52
  text "SMP/AMP学习专用" at 18.675,38.722 h1.52
  text "JTAG" at -11.903,38.041 h1.52
  text "POR" at 21.175,13.5 h1.52
  text "WSON8" at -30.525,12.416 h1.52
  text "EEPROM" at -15.675,11.358 h0.76
  text "SRST" at 17.2,-2.85 h1.52
  text "MIO 4:5" at -33.125,-5.259 h1.52
  text "PSCLK" at 9.8,-7.275 h1.52
  text "PLCLK" at 9.8,-8.7 h1.52
  text "DOWN" at 26.85,-9.425 h1.52
  text "PS_U1_TX" at -25.4,-10.47 h1.02
  text "PS_U1_RX" at -25.4,-13.02 h1.02
  text "PS_U2_TX" at -25.4,-14.995 h1.02
  text "PS_U2_RX" at -25.4,-16.22 h1.02
  text "E" at 19.546,-18.029 h15
  text "BOOT" at -17.775,-18.792 h1.52
  text "NRST" at -17.649,-21.183 h1.52
  text "MIPI LDO" at 8.175,-27.45 h1.02
  text "PS UART" at -18.775,-27.65 h1.52
  text "H7_RX1" at 4.15,-30.8 h1.02
  text "H7_TX1" at 4.15,-31.7 h1.02
  text "H7_RX2" at -3.249,-31.852 h1.02 r90
  text "H7_TX2" at -0.474,-31.927 h1.02 r90
  text "H7 UART" at 22.025,-31.925 h1.52
  text "JLCJLCJLCJLC" at 11.454,-37.896 h0.76
Top Solder:
  region: 31.275,-19.35 31.275,-10.85 29.275,-10.85 29.275,-19.35
Bottom Solder:
  region: 31.275,-19.35 31.275,-10.85 29.275,-10.85 29.275,-19.35